# EAGLE board Mk4 Final Panel (EAGLE 9.0.1), part 16 of 18 (continued)
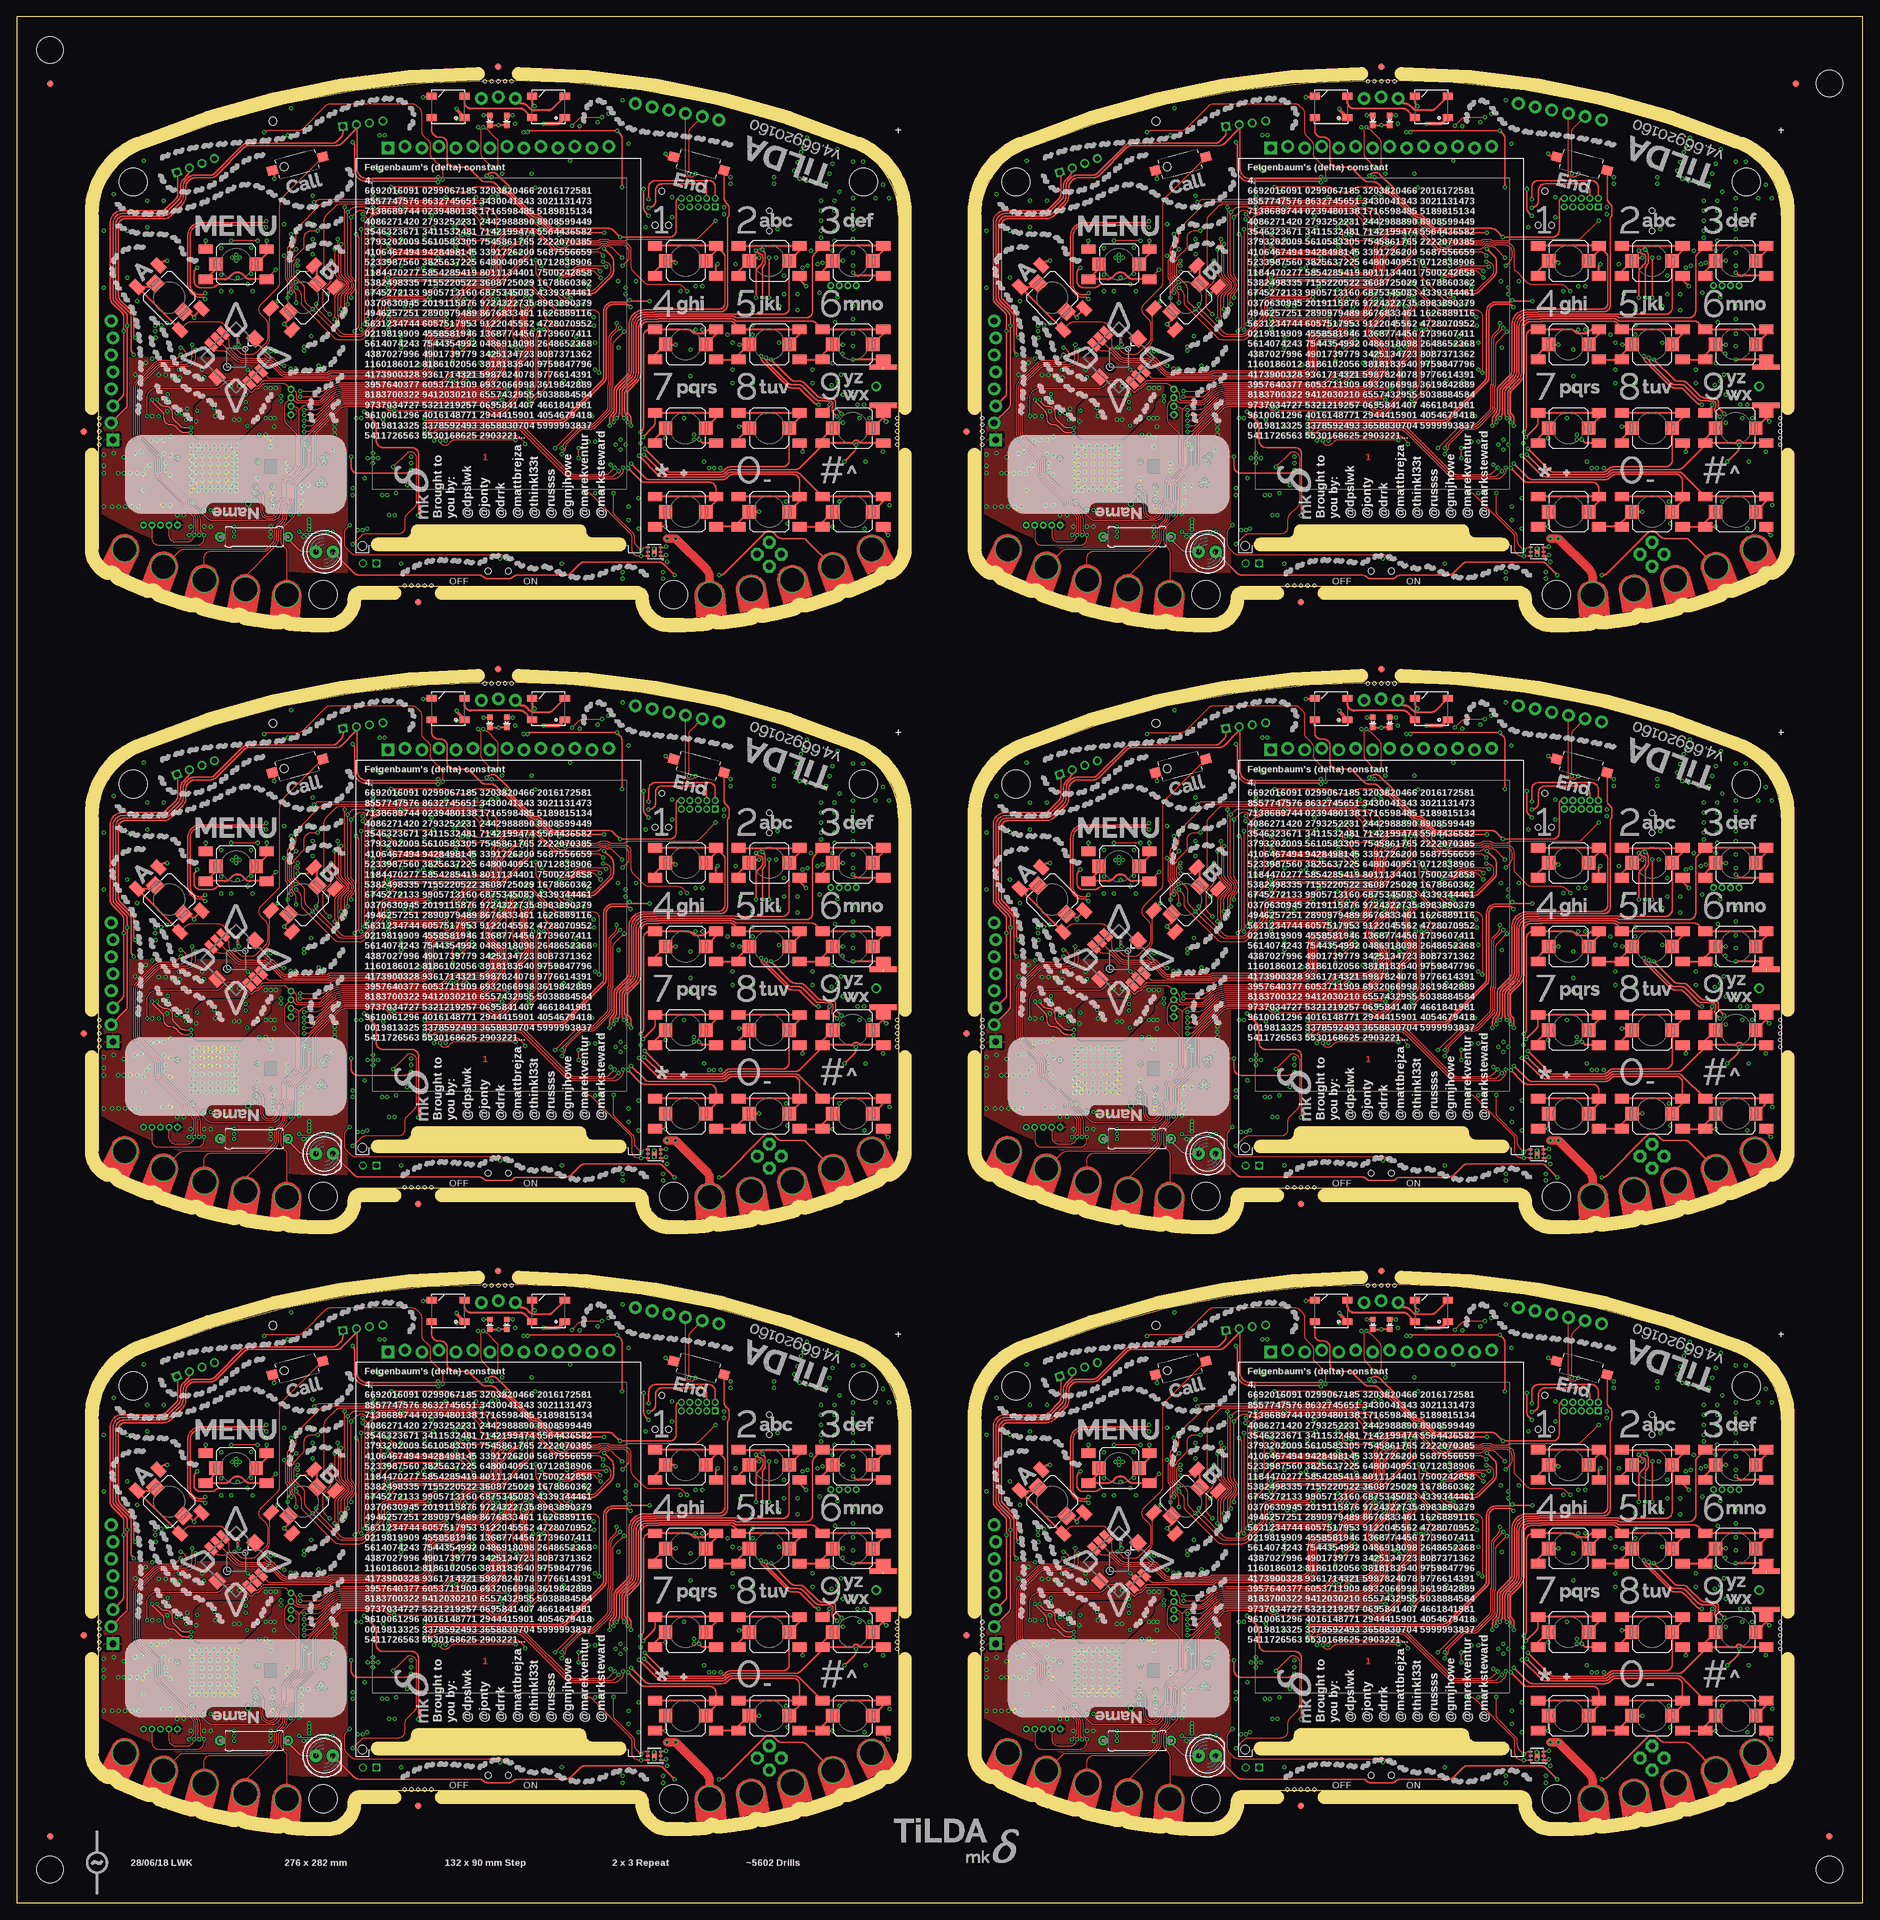
[diagram p0: board, top side]
## Tracks (layer width: path | path; a pad name or v marks a point on that pad's centre or on a via) (continued)
  Bottom 0.15: IC47.57 arc-90 34.65,123.55 34.65,122.06 arc45 34.71,121.92 34.77,121.86 arc-45 34.83,121.72 34.83,121.09 arc45 35.12,120.38 v35.75,119.75 R225.1 | v74.75,150.5 74.75,152.28 arc-90 75.75,153.28 77.62,153.28 77.69,153.2 IC38.117
UART3_CC_TX3  (via drill 0.3)
  Top 0.15: v167.75,119.75 168.45,119.05 168.45,118.2 arc90 169.7,116.95 169.85,116.95 arc90 171.1,118.2 arc-45 171.49,119.14 171.73,119.38 arc45 172.1,120.27 172.1,121.62 arc-45 172.76,123.21 173.88,124.33 arc45 174.25,125.22 174.25,133.25 | 174.25,133.25 174.71,133.71 arc-45 175.41,134 176.96,134 arc45 178.02,134.44 178.88,135.3 arc-45 180.82,136.1 201.03,136.1 arc45 202.09,136.54 204.41,138.85 arc45 204.7,139.56 204.7,140.02 arc-45 204.85,140.37 205.05,140.58 arc45 205.2,140.93 205.2,147.09 arc-45 205.41,147.59 205.75,147.94 arc45 205.9,148.29 205.9,148.3 arc-45 206.05,148.66 arc45 206.12,148.84 206.12,149.67 arc-45 206.27,150.02 v206.75,150.5 | JP34.2 173.32,133.77 arc-45 174.02,133.48 174.25,133.25
  Bottom 0.15: IC65.57 arc-90 166.65,123.55 166.65,122.06 arc45 166.71,121.92 166.77,121.86 arc-45 166.82,121.72 166.82,121.09 arc45 167.12,120.38 v167.75,119.75 R303.1 | v206.75,150.5 206.75,152.28 arc-90 207.75,153.28 209.62,153.28 209.69,153.2 IC56.117
UART3_CC_TX4  (via drill 0.3)
  Top 0.15: v35.75,209.75 36.45,209.05 36.45,208.2 arc90 37.7,206.95 37.85,206.95 arc90 39.1,208.2 arc-45 39.49,209.14 39.73,209.38 arc45 40.1,210.27 40.1,211.62 arc-45 40.76,213.21 41.88,214.33 arc45 42.25,215.22 42.25,223.25 | 42.25,223.25 42.71,223.71 arc-45 43.41,224 44.96,224 arc45 46.02,224.44 46.88,225.29 arc-45 48.82,226.1 69.03,226.1 arc45 70.09,226.54 72.41,228.85 arc45 72.7,229.56 72.7,230.02 arc-45 72.85,230.37 73.05,230.58 arc45 73.2,230.93 73.2,237.09 arc-45 73.41,237.59 73.75,237.94 arc45 73.9,238.29 73.9,238.3 arc-45 74.05,238.66 arc45 74.12,238.84 74.12,239.67 arc-45 74.27,240.02 v74.75,240.5 | JP43.2 41.32,223.77 arc-45 42.02,223.48 42.25,223.25
  Bottom 0.15: IC83.57 arc-90 34.65,213.55 34.65,212.06 arc45 34.71,211.92 34.77,211.86 arc-45 34.83,211.72 34.83,211.09 arc45 35.12,210.38 v35.75,209.75 R381.1 | v74.75,240.5 74.75,242.28 arc-90 75.75,243.28 77.62,243.28 77.69,243.2 IC74.117
UART3_CC_TX5  (via drill 0.3)
  Top 0.15: v167.75,209.75 168.45,209.05 168.45,208.2 arc90 169.7,206.95 169.85,206.95 arc90 171.1,208.2 arc-45 171.49,209.14 171.73,209.38 arc45 172.1,210.27 172.1,211.62 arc-45 172.76,213.21 173.88,214.33 arc45 174.25,215.22 174.25,223.25 | 174.25,223.25 174.71,223.71 arc-45 175.41,224 176.96,224 arc45 178.02,224.44 178.88,225.29 arc-45 180.82,226.1 201.03,226.1 arc45 202.09,226.54 204.41,228.85 arc45 204.7,229.56 204.7,230.02 arc-45 204.85,230.37 205.05,230.58 arc45 205.2,230.93 205.2,237.09 arc-45 205.41,237.59 205.75,237.94 arc45 205.9,238.29 205.9,238.3 arc-45 206.05,238.66 arc45 206.12,238.84 206.12,239.67 arc-45 206.27,240.02 v206.75,240.5 | JP52.2 173.32,223.77 arc-45 174.02,223.48 174.25,223.25
  Bottom 0.15: IC101.57 arc-90 166.65,213.55 166.65,212.06 arc45 166.71,211.92 166.77,211.86 arc-45 166.82,211.72 166.82,211.09 arc45 167.12,210.38 v167.75,209.75 R459.1 | v206.75,240.5 206.75,242.28 arc-90 207.75,243.28 209.62,243.28 209.69,243.2 IC92.117
UART4_EXT_RX  (via drill 0.3)
  Top 0.15: PCB.CH3 28.04,21.1 arc-90 29.04,22.1 36.88,22.1 arc45 37.77,22.47 38.48,23.18 arc45 38.85,24.07 38.85,24.93 arc-45 39.29,25.99 39.73,26.43 arc45 40.1,27.32 40.1,27.86 arc-45 40.47,28.74 arc45 41,30.03 41,31.55 arc-45 41.44,32.61 43.41,34.58 arc45 43.7,35.29 v43.7,37.5 | v71.4,51.7 71.35,51.65 arc45 71.2,51.29 71.2,50.37 arc-45 70.83,49.48 70.42,49.07 arc-45 69.53,48.7 65.61,48.7 arc45 64.91,48.41 63.87,47.37 arc-45 62.98,47 48.76,47 arc45 46.38,46.08 45.8,45.49 arc-45 45.09,45.2 v42.4,45.2
  Top 0.2: J10.1 arc-45 24.1,78.32 24.1,75.51 arc-45 23.81,74.81 22.29,73.29 arc-45 21.59,73 15.75,73 arc90 14,71.25 14,59.91 arc45 14.29,59.21 15.71,57.79 arc-45 16,57.09 v16,55 16,45.87 arc-45 15.71,45.16 JP6.3
  3V3@2 0.15: 28,17.87 PCB.CH3 | v42.4,45.2 42.3,45.2 41.75,45.75 41.75,46.73 40.95,47.53 v40.95,49.35 | v20.7,55 v16,55
  Bottom 0.15: v71.4,51.7 71.32,51.78 arc-45 71.18,52.13 71.18,53.37 arc45 71.03,53.72 70.85,53.9 arc-45 70.7,54.26 70.7,55.26 arc-45 70.99,55.97 71.11,56.08 arc45 71.4,56.79 IC1.18 | v42.4,45.2 arc-45 42.91,44.99 43.71,44.19 arc-45 44,43.49 44,38.21 arc-45 v43.71,37.51 v43.7,37.5 | v20.7,55 32.41,55 arc-45 33.12,54.71 34.71,53.11 arc45 35.95,52.6 38.9,52.6 arc-90 39.9,51.6 39.9,51.03 arc45 40.03,50.73 40.63,50.12 arc-45 v40.95,49.35
  Bottom 0.3: J10.5 J10.1
UART4_EXT_RX1  (via drill 0.3)
  Top 0.15: PCB1.CH3 160.04,21.1 arc-90 161.04,22.1 168.88,22.1 arc45 169.77,22.47 170.48,23.18 arc45 170.85,24.07 170.85,24.93 arc-45 171.29,25.99 171.73,26.43 arc45 172.1,27.32 172.1,27.86 arc-45 172.47,28.74 arc45 173,30.03 173,31.55 arc-45 173.44,32.61 175.41,34.58 arc45 175.7,35.29 v175.7,37.5 | v203.4,51.7 203.35,51.65 arc45 203.2,51.29 203.2,50.37 arc-45 202.83,49.48 202.42,49.07 arc-45 201.53,48.7 197.61,48.7 arc45 196.91,48.41 195.87,47.37 arc-45 194.98,47 180.76,47 arc45 178.38,46.08 177.8,45.49 arc-45 177.09,45.2 v174.4,45.2
  Top 0.2: J16.1 arc-45 156.1,78.32 156.1,75.51 arc-45 155.81,74.81 154.29,73.29 arc-45 153.59,73 147.75,73 arc90 146,71.25 146,59.91 arc45 146.29,59.21 147.71,57.79 arc-45 148,57.09 v148,55 148,45.87 arc-45 147.71,45.16 JP17.3
  3V3@2 0.15: 160,17.87 PCB1.CH3 | v174.4,45.2 174.3,45.2 173.75,45.75 173.75,46.73 172.95,47.53 v172.95,49.35 | v152.7,55 v148,55
  Bottom 0.15: v203.4,51.7 203.32,51.78 arc-45 203.18,52.13 203.18,53.37 arc45 203.03,53.72 202.85,53.9 arc-45 202.7,54.26 202.7,55.26 arc-45 202.99,55.97 203.11,56.08 arc45 203.4,56.79 IC20.18 | v174.4,45.2 arc-45 174.91,44.99 175.71,44.19 arc-45 176,43.49 176,38.21 arc-45 v175.71,37.51 v175.7,37.5 | v152.7,55 164.41,55 arc-45 165.12,54.71 166.71,53.11 arc45 167.95,52.6 170.9,52.6 arc-90 171.9,51.6 171.9,51.03 arc45 172.03,50.73 172.63,50.12 arc-45 v172.95,49.35
  Bottom 0.3: J16.5 J16.1
UART4_EXT_RX2  (via drill 0.3)
  Top 0.15: PCB2.CH3 28.04,111.1 arc-90 29.04,112.1 36.88,112.1 arc45 37.77,112.47 38.48,113.18 arc45 38.85,114.07 38.85,114.93 arc-45 39.29,115.99 39.73,116.43 arc45 40.1,117.32 40.1,117.86 arc-45 40.47,118.74 arc45 41,120.03 41,121.55 arc-45 41.44,122.61 43.41,124.58 arc45 43.7,125.29 v43.7,127.5 | v71.4,141.7 71.35,141.65 arc45 71.2,141.29 71.2,140.37 arc-45 70.83,139.48 70.42,139.07 arc-45 69.53,138.7 65.61,138.7 arc45 64.91,138.41 63.87,137.37 arc-45 62.98,137 48.76,137 arc45 46.38,136.07 45.8,135.49 arc-45 45.09,135.2 v42.4,135.2
  Top 0.2: J26.1 arc-45 24.1,168.32 24.1,165.51 arc-45 23.81,164.81 22.29,163.29 arc-45 21.59,163 15.75,163 arc90 14,161.25 14,149.91 arc45 14.29,149.21 15.71,147.79 arc-45 16,147.09 v16,145 16,135.87 arc-45 15.71,135.16 JP26.3
  3V3@2 0.15: 28,107.87 PCB2.CH3 | v42.4,135.2 42.3,135.2 41.75,135.75 41.75,136.73 40.95,137.53 v40.95,139.35 | v20.7,145 v16,145
  Bottom 0.15: v71.4,141.7 71.32,141.78 arc-45 71.18,142.13 71.18,143.37 arc45 71.03,143.72 70.85,143.9 arc-45 70.7,144.26 70.7,145.26 arc-45 70.99,145.97 71.11,146.08 arc45 71.4,146.79 IC38.18 | v42.4,135.2 arc-45 42.91,134.99 43.71,134.19 arc-45 44,133.49 44,128.21 arc-45 v43.71,127.51 v43.7,127.5 | v20.7,145 32.41,145 arc-45 33.12,144.71 34.71,143.11 arc45 35.95,142.6 38.9,142.6 arc-90 39.9,141.6 39.9,141.03 arc45 40.03,140.73 40.63,140.12 arc-45 v40.95,139.35
  Bottom 0.3: J26.5 J26.1
UART4_EXT_RX3  (via drill 0.3)
  Top 0.15: PCB3.CH3 160.04,111.1 arc-90 161.04,112.1 168.88,112.1 arc45 169.77,112.47 170.48,113.18 arc45 170.85,114.07 170.85,114.93 arc-45 171.29,115.99 171.73,116.43 arc45 172.1,117.32 172.1,117.86 arc-45 172.47,118.74 arc45 173,120.03 173,121.55 arc-45 173.44,122.61 175.41,124.58 arc45 175.7,125.29 v175.7,127.5 | v203.4,141.7 203.35,141.65 arc45 203.2,141.29 203.2,140.37 arc-45 202.83,139.48 202.42,139.07 arc-45 201.53,138.7 197.61,138.7 arc45 196.91,138.41 195.87,137.37 arc-45 194.98,137 180.76,137 arc45 178.38,136.07 177.8,135.49 arc-45 177.09,135.2 v174.4,135.2
  Top 0.2: J36.1 arc-45 156.1,168.32 156.1,165.51 arc-45 155.81,164.81 154.29,163.29 arc-45 153.59,163 147.75,163 arc90 146,161.25 146,149.91 arc45 146.29,149.21 147.71,147.79 arc-45 148,147.09 v148,145 148,135.87 arc-45 147.71,135.16 JP35.3
  3V3@2 0.15: 160,107.87 PCB3.CH3 | v174.4,135.2 174.3,135.2 173.75,135.75 173.75,136.73 172.95,137.53 v172.95,139.35 | v152.7,145 v148,145
  Bottom 0.15: v203.4,141.7 203.32,141.78 arc-45 203.18,142.13 203.18,143.37 arc45 203.03,143.72 202.85,143.9 arc-45 202.7,144.26 202.7,145.26 arc-45 202.99,145.97 203.11,146.08 arc45 203.4,146.79 IC56.18 | v174.4,135.2 arc-45 174.91,134.99 175.71,134.19 arc-45 176,133.49 176,128.21 arc-45 v175.71,127.51 v175.7,127.5 | v152.7,145 164.41,145 arc-45 165.12,144.71 166.71,143.11 arc45 167.95,142.6 170.9,142.6 arc-90 171.9,141.6 171.9,141.03 arc45 172.03,140.73 172.63,140.12 arc-45 v172.95,139.35
  Bottom 0.3: J36.5 J36.1
UART4_EXT_RX4  (via drill 0.3)
  Top 0.15: PCB4.CH3 28.04,201.1 arc-90 29.04,202.1 36.88,202.1 arc45 37.77,202.47 38.48,203.18 arc45 38.85,204.07 38.85,204.93 arc-45 39.29,205.99 39.73,206.43 arc45 40.1,207.32 40.1,207.86 arc-45 40.47,208.74 arc45 41,210.03 41,211.55 arc-45 41.44,212.62 43.41,214.58 arc45 43.7,215.29 v43.7,217.5 | v71.4,231.7 71.35,231.65 arc45 71.2,231.29 71.2,230.37 arc-45 70.83,229.48 70.42,229.07 arc-45 69.53,228.7 65.61,228.7 arc45 64.91,228.41 63.87,227.37 arc-45 62.98,227 48.76,227 arc45 46.38,226.07 45.8,225.49 arc-45 45.09,225.2 v42.4,225.2
  Top 0.2: J46.1 arc-45 24.1,258.32 24.1,255.51 arc-45 23.81,254.81 22.29,253.29 arc-45 21.59,253 15.75,253 arc90 14,251.25 14,239.91 arc45 14.29,239.21 15.71,237.79 arc-45 16,237.09 v16,235 16,225.87 arc-45 15.71,225.16 JP44.3
  3V3@2 0.15: 28,197.87 PCB4.CH3 | v42.4,225.2 42.3,225.2 41.75,225.75 41.75,226.73 40.95,227.53 v40.95,229.35 | v20.7,235 v16,235
  Bottom 0.15: v71.4,231.7 71.32,231.78 arc-45 71.18,232.13 71.18,233.37 arc45 71.03,233.72 70.85,233.9 arc-45 70.7,234.26 70.7,235.26 arc-45 70.99,235.97 71.11,236.08 arc45 71.4,236.79 IC74.18 | v42.4,225.2 arc-45 42.91,224.99 43.71,224.19 arc-45 44,223.49 44,218.21 arc-45 v43.71,217.51 v43.7,217.5 | v20.7,235 32.41,235 arc-45 33.12,234.71 34.71,233.11 arc45 35.95,232.6 38.9,232.6 arc-90 39.9,231.6 39.9,231.03 arc45 40.03,230.73 40.63,230.12 arc-45 v40.95,229.35
  Bottom 0.3: J46.5 J46.1
UART4_EXT_RX5  (via drill 0.3)
  Top 0.15: PCB5.CH3 160.04,201.1 arc-90 161.04,202.1 168.88,202.1 arc45 169.77,202.47 170.48,203.18 arc45 170.85,204.07 170.85,204.93 arc-45 171.29,205.99 171.73,206.43 arc45 172.1,207.32 172.1,207.86 arc-45 172.47,208.74 arc45 173,210.03 173,211.55 arc-45 173.44,212.62 175.41,214.58 arc45 175.7,215.29 v175.7,217.5 | v203.4,231.7 203.35,231.65 arc45 203.2,231.29 203.2,230.37 arc-45 202.83,229.48 202.42,229.07 arc-45 201.53,228.7 197.61,228.7 arc45 196.91,228.41 195.87,227.37 arc-45 194.98,227 180.76,227 arc45 178.38,226.07 177.8,225.49 arc-45 177.09,225.2 v174.4,225.2
  Top 0.2: J56.1 arc-45 156.1,258.32 156.1,255.51 arc-45 155.81,254.81 154.29,253.29 arc-45 153.59,253 147.75,253 arc90 146,251.25 146,239.91 arc45 146.29,239.21 147.71,237.79 arc-45 148,237.09 v148,235 148,225.87 arc-45 147.71,225.16 JP53.3
  3V3@2 0.15: 160,197.87 PCB5.CH3 | v174.4,225.2 174.3,225.2 173.75,225.75 173.75,226.73 172.95,227.53 v172.95,229.35 | v152.7,235 v148,235
  Bottom 0.15: v203.4,231.7 203.32,231.78 arc-45 203.18,232.13 203.18,233.37 arc45 203.03,233.72 202.85,233.9 arc-45 202.7,234.26 202.7,235.26 arc-45 202.99,235.97 203.11,236.08 arc45 203.4,236.79 IC92.18 | v174.4,225.2 arc-45 174.91,224.99 175.71,224.19 arc-45 176,223.49 176,218.21 arc-45 v175.71,217.51 v175.7,217.5 | v152.7,235 164.41,235 arc-45 165.12,234.71 166.71,233.11 arc45 167.95,232.6 170.9,232.6 arc-90 171.9,231.6 171.9,231.03 arc45 172.03,230.73 172.63,230.12 arc-45 v172.95,229.35
  Bottom 0.3: J56.5 J56.1
UART4_EXT_TX  (via drill 0.3)
  Top 0.15: PCB.CH4 24.29,22.11 arc-45 25,22.4 36.86,22.4 arc45 37.57,22.69 38.26,23.38 arc45 38.55,24.09 38.55,24.95 arc-45 39.06,26.19 39.51,26.63 arc45 39.8,27.34 39.8,27.88 arc-45 40.24,28.94 arc45 40.7,30.05 40.7,31.57 arc-45 41.21,32.81 42.39,33.99 arc45 42.9,35.23 42.9,37.39 arc-45 v43.19,38.09 v43.2,38.1 | v70.65,51.7 70.75,51.6 arc-45 70.9,51.24 70.9,50.39 arc-45 70.61,49.68 70.22,49.29 arc-45 69.51,49 65.57,49 arc45 64.68,48.63 63.64,47.59 arc-45 62.94,47.3 48.74,47.3 arc45 46.19,46.3 46.18,46.29 arc-45 45.47,46 v42.4,46
  Top 0.2: J10.2 25.81,79.03 arc-45 25.52,78.32 24.94,77.74 arc45 24.5,76.68 24.5,75.42 arc-45 24.13,74.53 22.57,72.97 arc-45 21.68,72.6 15.9,72.6 arc90 14.4,71.1 14.4,60.06 arc45 14.69,59.36 16.26,57.79 arc-45 16.55,57.09 v16.55,55.8 16.55,44.13 arc-45 16.26,43.42 JP6.2
  3V3@2 0.15: v20.7,55.8 v16.55,55.8 | v41.7,49.35 41.7,47.3 42.4,46.6 v42.4,46
  Bottom 0.15: v70.65,51.7 70.73,51.78 arc45 70.88,52.13 70.88,53.22 arc45 70.73,53.57 70.5,53.8 arc-45 70.35,54.16 70.35,55.34 arc-45 70.64,56.04 70.85,56.25 arc45 71,56.61 IC1.19 | v43.2,38.1 43.41,38.31 arc45 43.7,39.01 43.7,43.29 arc45 43.41,43.99 43.09,44.31 arc45 42.39,44.6 42.3,44.6 arc-90 41.8,45.1 41.8,45.5 arc-90 42.3,46 v42.4,46 | v20.7,55.8 20.91,55.59 arc45 21.61,55.3 32.43,55.3 arc-45 33.32,54.93 34.91,53.34 arc45 35.97,52.9 38.95,52.9 arc-90 40.2,51.65 40.2,51.2 arc45 40.36,50.82 41.61,49.56 arc-45 v41.7,49.35
  Bottom 0.3: J10.6 J10.2
UART4_EXT_TX1  (via drill 0.3)
  Top 0.15: PCB1.CH4 156.29,22.11 arc-45 157,22.4 168.86,22.4 arc45 169.57,22.69 170.26,23.38 arc45 170.55,24.09 170.55,24.95 arc-45 171.06,26.19 171.51,26.63 arc45 171.8,27.34 171.8,27.88 arc-45 172.24,28.94 arc45 172.7,30.05 172.7,31.57 arc-45 173.21,32.81 174.39,33.99 arc45 174.9,35.23 174.9,37.39 arc-45 v175.19,38.09 v175.2,38.1 | v202.65,51.7 202.75,51.6 arc-45 202.9,51.24 202.9,50.39 arc-45 202.61,49.68 202.22,49.29 arc-45 201.51,49 197.57,49 arc45 196.68,48.63 195.64,47.59 arc-45 194.94,47.3 180.74,47.3 arc45 178.19,46.3 178.18,46.29 arc-45 177.47,46 v174.4,46
  Top 0.2: J16.2 157.81,79.03 arc-45 157.52,78.32 156.94,77.74 arc45 156.5,76.68 156.5,75.42 arc-45 156.13,74.53 154.57,72.97 arc-45 153.68,72.6 147.9,72.6 arc90 146.4,71.1 146.4,60.06 arc45 146.69,59.36 148.26,57.79 arc-45 148.55,57.09 v148.55,55.8 148.55,44.13 arc-45 148.26,43.42 JP17.2
  3V3@2 0.15: v152.7,55.8 v148.55,55.8 | v173.7,49.35 173.7,47.3 174.4,46.6 v174.4,46
  Bottom 0.15: v202.65,51.7 202.73,51.78 arc45 202.88,52.13 202.88,53.22 arc45 202.73,53.57 202.5,53.8 arc-45 202.35,54.16 202.35,55.34 arc-45 202.64,56.04 202.85,56.25 arc45 203,56.61 IC20.19 | v175.2,38.1 175.41,38.31 arc45 175.7,39.01 175.7,43.29 arc45 175.41,43.99 175.09,44.31 arc45 174.39,44.6 174.3,44.6 arc-90 173.8,45.1 173.8,45.5 arc-90 174.3,46 v174.4,46 | v152.7,55.8 152.91,55.59 arc45 153.61,55.3 164.43,55.3 arc-45 165.32,54.93 166.91,53.34 arc45 167.97,52.9 170.95,52.9 arc-90 172.2,51.65 172.2,51.2 arc45 172.36,50.82 173.61,49.56 arc-45 v173.7,49.35
  Bottom 0.3: J16.6 J16.2
UART4_EXT_TX2  (via drill 0.3)
  Top 0.15: PCB2.CH4 24.29,112.11 arc-45 25,112.4 36.86,112.4 arc45 37.57,112.69 38.26,113.38 arc45 38.55,114.09 38.55,114.95 arc-45 39.06,116.19 39.51,116.63 arc45 39.8,117.34 39.8,117.88 arc-45 40.24,118.94 arc45 40.7,120.05 40.7,121.58 arc-45 41.21,122.81 42.39,123.99 arc45 42.9,125.22 42.9,127.39 arc-45 v43.19,128.09 v43.2,128.1 | v70.65,141.7 70.75,141.6 arc-45 70.9,141.24 70.9,140.39 arc-45 70.61,139.68 70.22,139.29 arc-45 69.51,139 65.57,139 arc45 64.68,138.63 63.64,137.59 arc-45 62.94,137.3 48.74,137.3 arc45 46.19,136.3 46.18,136.29 arc-45 45.47,136 v42.4,136
  Top 0.2: J26.2 25.81,169.03 arc-45 25.52,168.32 24.94,167.74 arc45 24.5,166.68 24.5,165.42 arc-45 24.13,164.53 22.57,162.97 arc-45 21.68,162.6 15.9,162.6 arc90 14.4,161.1 14.4,150.06 arc45 14.69,149.36 16.26,147.79 arc-45 16.55,147.09 v16.55,145.8 16.55,134.13 arc-45 16.26,133.42 JP26.2
  3V3@2 0.15: v20.7,145.8 v16.55,145.8 | v41.7,139.35 41.7,137.3 42.4,136.6 v42.4,136
  Bottom 0.15: v70.65,141.7 70.73,141.78 arc45 70.88,142.13 70.88,143.22 arc45 70.73,143.57 70.5,143.8 arc-45 70.35,144.16 70.35,145.34 arc-45 70.64,146.04 70.85,146.25 arc45 71,146.61 IC38.19 | v43.2,128.1 43.41,128.31 arc45 43.7,129.01 43.7,133.29 arc45 43.41,133.99 43.09,134.31 arc45 42.39,134.6 42.3,134.6 arc-90 41.8,135.1 41.8,135.5 arc-90 42.3,136 v42.4,136 | v20.7,145.8 20.91,145.59 arc45 21.61,145.3 32.43,145.3 arc-45 33.32,144.93 34.91,143.34 arc45 35.97,142.9 38.95,142.9 arc-90 40.2,141.65 40.2,141.2 arc45 40.36,140.82 41.61,139.56 arc-45 v41.7,139.35
  Bottom 0.3: J26.6 J26.2
UART4_EXT_TX3  (via drill 0.3)
  Top 0.15: PCB3.CH4 156.29,112.11 arc-45 157,112.4 168.86,112.4 arc45 169.57,112.69 170.26,113.38 arc45 170.55,114.09 170.55,114.95 arc-45 171.06,116.19 171.51,116.63 arc45 171.8,117.34 171.8,117.88 arc-45 172.24,118.94 arc45 172.7,120.05 172.7,121.58 arc-45 173.21,122.81 174.39,123.99 arc45 174.9,125.22 174.9,127.39 arc-45 v175.19,128.09 v175.2,128.1 | v202.65,141.7 202.75,141.6 arc-45 202.9,141.24 202.9,140.39 arc-45 202.61,139.68 202.22,139.29 arc-45 201.51,139 197.57,139 arc45 196.68,138.63 195.64,137.59 arc-45 194.94,137.3 180.74,137.3 arc45 178.19,136.3 178.18,136.29 arc-45 177.47,136 v174.4,136
  Top 0.2: J36.2 157.81,169.03 arc-45 157.52,168.32 156.94,167.74 arc45 156.5,166.68 156.5,165.42 arc-45 156.13,164.53 154.57,162.97 arc-45 153.68,162.6 147.9,162.6 arc90 146.4,161.1 146.4,150.06 arc45 146.69,149.36 148.26,147.79 arc-45 148.55,147.09 v148.55,145.8 148.55,134.13 arc-45 148.26,133.42 JP35.2
  3V3@2 0.15: v152.7,145.8 v148.55,145.8 | v173.7,139.35 173.7,137.3 174.4,136.6 v174.4,136
  Bottom 0.15: v202.65,141.7 202.73,141.78 arc45 202.88,142.13 202.88,143.22 arc45 202.73,143.57 202.5,143.8 arc-45 202.35,144.16 202.35,145.34 arc-45 202.64,146.04 202.85,146.25 arc45 203,146.61 IC56.19 | v175.2,128.1 175.41,128.31 arc45 175.7,129.01 175.7,133.29 arc45 175.41,133.99 175.09,134.31 arc45 174.39,134.6 174.3,134.6 arc-90 173.8,135.1 173.8,135.5 arc-90 174.3,136 v174.4,136 | v152.7,145.8 152.91,145.59 arc45 153.61,145.3 164.43,145.3 arc-45 165.32,144.93 166.91,143.34 arc45 167.97,142.9 170.95,142.9 arc-90 172.2,141.65 172.2,141.2 arc45 172.36,140.82 173.61,139.56 arc-45 v173.7,139.35
  Bottom 0.3: J36.6 J36.2
UART4_EXT_TX4  (via drill 0.3)
  Top 0.15: PCB4.CH4 24.29,202.11 arc-45 25,202.4 36.86,202.4 arc45 37.57,202.69 38.26,203.38 arc45 38.55,204.09 38.55,204.95 arc-45 39.06,206.19 39.51,206.63 arc45 39.8,207.34 39.8,207.88 arc-45 40.24,208.94 arc45 40.7,210.05 40.7,211.57 arc-45 41.21,212.81 42.39,213.99 arc45 42.9,215.22 42.9,217.39 arc-45 v43.19,218.09 v43.2,218.1 | v70.65,231.7 70.75,231.6 arc-45 70.9,231.24 70.9,230.39 arc-45 70.61,229.68 70.22,229.29 arc-45 69.51,229 65.57,229 arc45 64.68,228.63 63.64,227.59 arc-45 62.94,227.3 48.74,227.3 arc45 46.19,226.3 46.18,226.29 arc-45 45.47,226 v42.4,226
  Top 0.2: J46.2 25.81,259.02 arc-45 25.52,258.32 24.94,257.74 arc45 24.5,256.68 24.5,255.42 arc-45 24.13,254.53 22.57,252.97 arc-45 21.68,252.6 15.9,252.6 arc90 14.4,251.1 14.4,240.06 arc45 14.69,239.36 16.26,237.79 arc-45 16.55,237.09 v16.55,235.8 16.55,224.13 arc-45 16.26,223.42 JP44.2
  3V3@2 0.15: v20.7,235.8 v16.55,235.8 | v41.7,229.35 41.7,227.3 42.4,226.6 v42.4,226
  Bottom 0.15: v70.65,231.7 70.73,231.78 arc45 70.88,232.13 70.88,233.22 arc45 70.73,233.57 70.5,233.8 arc-45 70.35,234.16 70.35,235.34 arc-45 70.64,236.04 70.85,236.25 arc45 71,236.61 IC74.19 | v43.2,218.1 43.41,218.31 arc45 43.7,219.01 43.7,223.29 arc45 43.41,223.99 43.09,224.31 arc45 42.39,224.6 42.3,224.6 arc-90 41.8,225.1 41.8,225.5 arc-90 42.3,226 v42.4,226 | v20.7,235.8 20.91,235.59 arc45 21.61,235.3 32.43,235.3 arc-45 33.32,234.93 34.91,233.34 arc45 35.97,232.9 38.95,232.9 arc-90 40.2,231.65 40.2,231.2 arc45 40.36,230.82 41.61,229.56 arc-45 v41.7,229.35
  Bottom 0.3: J46.6 J46.2
UART4_EXT_TX5  (via drill 0.3)
  Top 0.15: PCB5.CH4 156.29,202.11 arc-45 157,202.4 168.86,202.4 arc45 169.57,202.69 170.26,203.38 arc45 170.55,204.09 170.55,204.95 arc-45 171.06,206.19 171.51,206.63 arc45 171.8,207.34 171.8,207.88 arc-45 172.24,208.94 arc45 172.7,210.05 172.7,211.57 arc-45 173.21,212.81 174.39,213.99 arc45 174.9,215.22 174.9,217.39 arc-45 v175.19,218.09 v175.2,218.1 | v202.65,231.7 202.75,231.6 arc-45 202.9,231.24 202.9,230.39 arc-45 202.61,229.68 202.22,229.29 arc-45 201.51,229 197.57,229 arc45 196.68,228.63 195.64,227.59 arc-45 194.94,227.3 180.74,227.3 arc45 178.19,226.3 178.18,226.29 arc-45 177.47,226 v174.4,226
  Top 0.2: J56.2 157.81,259.02 arc-45 157.52,258.32 156.94,257.74 arc45 156.5,256.68 156.5,255.42 arc-45 156.13,254.53 154.57,252.97 arc-45 153.68,252.6 147.9,252.6 arc90 146.4,251.1 146.4,240.06 arc45 146.69,239.36 148.26,237.79 arc-45 148.55,237.09 v148.55,235.8 148.55,224.13 arc-45 148.26,223.42 JP53.2
  3V3@2 0.15: v152.7,235.8 v148.55,235.8 | v173.7,229.35 173.7,227.3 174.4,226.6 v174.4,226
  Bottom 0.15: v202.65,231.7 202.73,231.78 arc45 202.88,232.13 202.88,233.22 arc45 202.73,233.57 202.5,233.8 arc-45 202.35,234.16 202.35,235.34 arc-45 202.64,236.04 202.85,236.25 arc45 203,236.61 IC92.19 | v175.2,218.1 175.41,218.31 arc45 175.7,219.01 175.7,223.29 arc45 175.41,223.99 175.09,224.31 arc45 174.39,224.6 174.3,224.6 arc-90 173.8,225.1 173.8,225.5 arc-90 174.3,226 v174.4,226 | v152.7,235.8 152.91,235.59 arc45 153.61,235.3 164.43,235.3 arc-45 165.32,234.93 166.91,233.34 arc45 167.97,232.9 170.95,232.9 arc-90 172.2,231.65 172.2,231.2 arc45 172.36,230.82 173.61,229.56 arc-45 v173.7,229.35
  Bottom 0.3: J56.6 J56.2
USB_D_N
  Bottom 0.2: IC7.1 87.75,85
  Bottom 0.25: 87.75,85 88.26,84.49 arc45 88.96,84.2 89.64,84.2 arc45 90.34,84.49 90.95,85.1 91.15,85.1 | IC1.93 77,74.2 arc-90 78.8,76 86.65,76 arc90 87.65,77 87.65,78.85 arc-90 89.5,80.7 91.5,80.7 arc90 92.8,82 92.8,83.75 arc90 91.4,85.15 91.2,85.15 | U1.D- 81.55,86.25 81.6,86.2 81.6,85.53 arc45 81.89,84.82 82.12,84.59 arc45 82.83,84.3 85.07,84.3 arc45 85.78,84.59 85.99,84.81 arc-45 86.7,85.1 87,85.1 87.1,85 IC7.1 | 91.2,85.15 91.15,85.1 | 91.2,85.15 arc90 91.15,85.1
USB_D_N1
  Bottom 0.2: IC23.1 219.75,85
  Bottom 0.25: 219.75,85 220.26,84.49 arc45 220.96,84.2 221.64,84.2 arc45 222.34,84.49 222.95,85.1 223.15,85.1 | IC20.93 209,74.2 arc-90 210.8,76 218.65,76 arc90 219.65,77 219.65,78.85 arc-90 221.5,80.7 223.5,80.7 arc90 224.8,82 224.8,83.75 arc90 223.4,85.15 223.2,85.15 | U2.D- 213.55,86.25 213.6,86.2 213.6,85.53 arc45 213.89,84.82 214.12,84.59 arc45 214.83,84.3 217.07,84.3 arc45 217.78,84.59 217.99,84.81 arc-45 218.7,85.1 219,85.1 219.1,85 IC23.1 | 223.2,85.15 223.15,85.1 | 223.2,85.15 arc90 223.15,85.1
USB_D_N2
  Bottom 0.2: IC41.1 87.75,175
  Bottom 0.25: 87.75,175 88.26,174.49 arc45 88.96,174.2 89.64,174.2 arc45 90.34,174.49 90.95,175.1 91.15,175.1 | IC38.93 77,164.2 arc-90 78.8,166 86.65,166 arc90 87.65,167 87.65,168.85 arc-90 89.5,170.7 91.5,170.7 arc90 92.8,172 92.8,173.75 arc90 91.4,175.15 91.2,175.15 | U7.D- 81.55,176.25 81.6,176.2 81.6,175.53 arc45 81.89,174.82 82.12,174.59 arc45 82.83,174.3 85.07,174.3 arc45 85.78,174.59 85.99,174.81 arc-45 86.7,175.1 87,175.1 87.1,175 IC41.1 | 91.2,175.15 91.15,175.1 | 91.2,175.15 arc90 91.15,175.1
USB_D_N3
  Bottom 0.2: IC59.1 219.75,175
  Bottom 0.25: 219.75,175 220.26,174.49 arc45 220.96,174.2 221.64,174.2 arc45 222.34,174.49 222.95,175.1 223.15,175.1 | IC56.93 209,164.2 arc-90 210.8,166 218.65,166 arc90 219.65,167 219.65,168.85 arc-90 221.5,170.7 223.5,170.7 arc90 224.8,172 224.8,173.75 arc90 223.4,175.15 223.2,175.15 | U10.D- 213.55,176.25 213.6,176.2 213.6,175.53 arc45 213.89,174.82 214.12,174.59 arc45 214.83,174.3 217.07,174.3 arc45 217.78,174.59 217.99,174.81 arc-45 218.7,175.1 219,175.1 219.1,175 IC59.1 | 223.2,175.15 223.15,175.1 | 223.2,175.15 arc90 223.15,175.1
USB_D_N4
  Bottom 0.2: IC77.1 87.75,265
  Bottom 0.25: 87.75,265 88.26,264.49 arc45 88.96,264.2 89.64,264.2 arc45 90.34,264.49 90.95,265.1 91.15,265.1 | IC74.93 77,254.2 arc-90 78.8,256 86.65,256 arc90 87.65,257 87.65,258.85 arc-90 89.5,260.7 91.5,260.7 arc90 92.8,262 92.8,263.75 arc90 91.4,265.15 91.2,265.15 | U13.D- 81.55,266.25 81.6,266.2 81.6,265.53 arc45 81.89,264.82 82.12,264.59 arc45 82.83,264.3 85.07,264.3 arc45 85.78,264.59 85.99,264.81 arc-45 86.7,265.1 87,265.1 87.1,265 IC77.1 | 91.2,265.15 91.15,265.1 | 91.2,265.15 arc90 91.15,265.1
USB_D_N5
  Bottom 0.2: IC95.1 219.75,265